# Allegro board S071AA-0413-20260427.brd
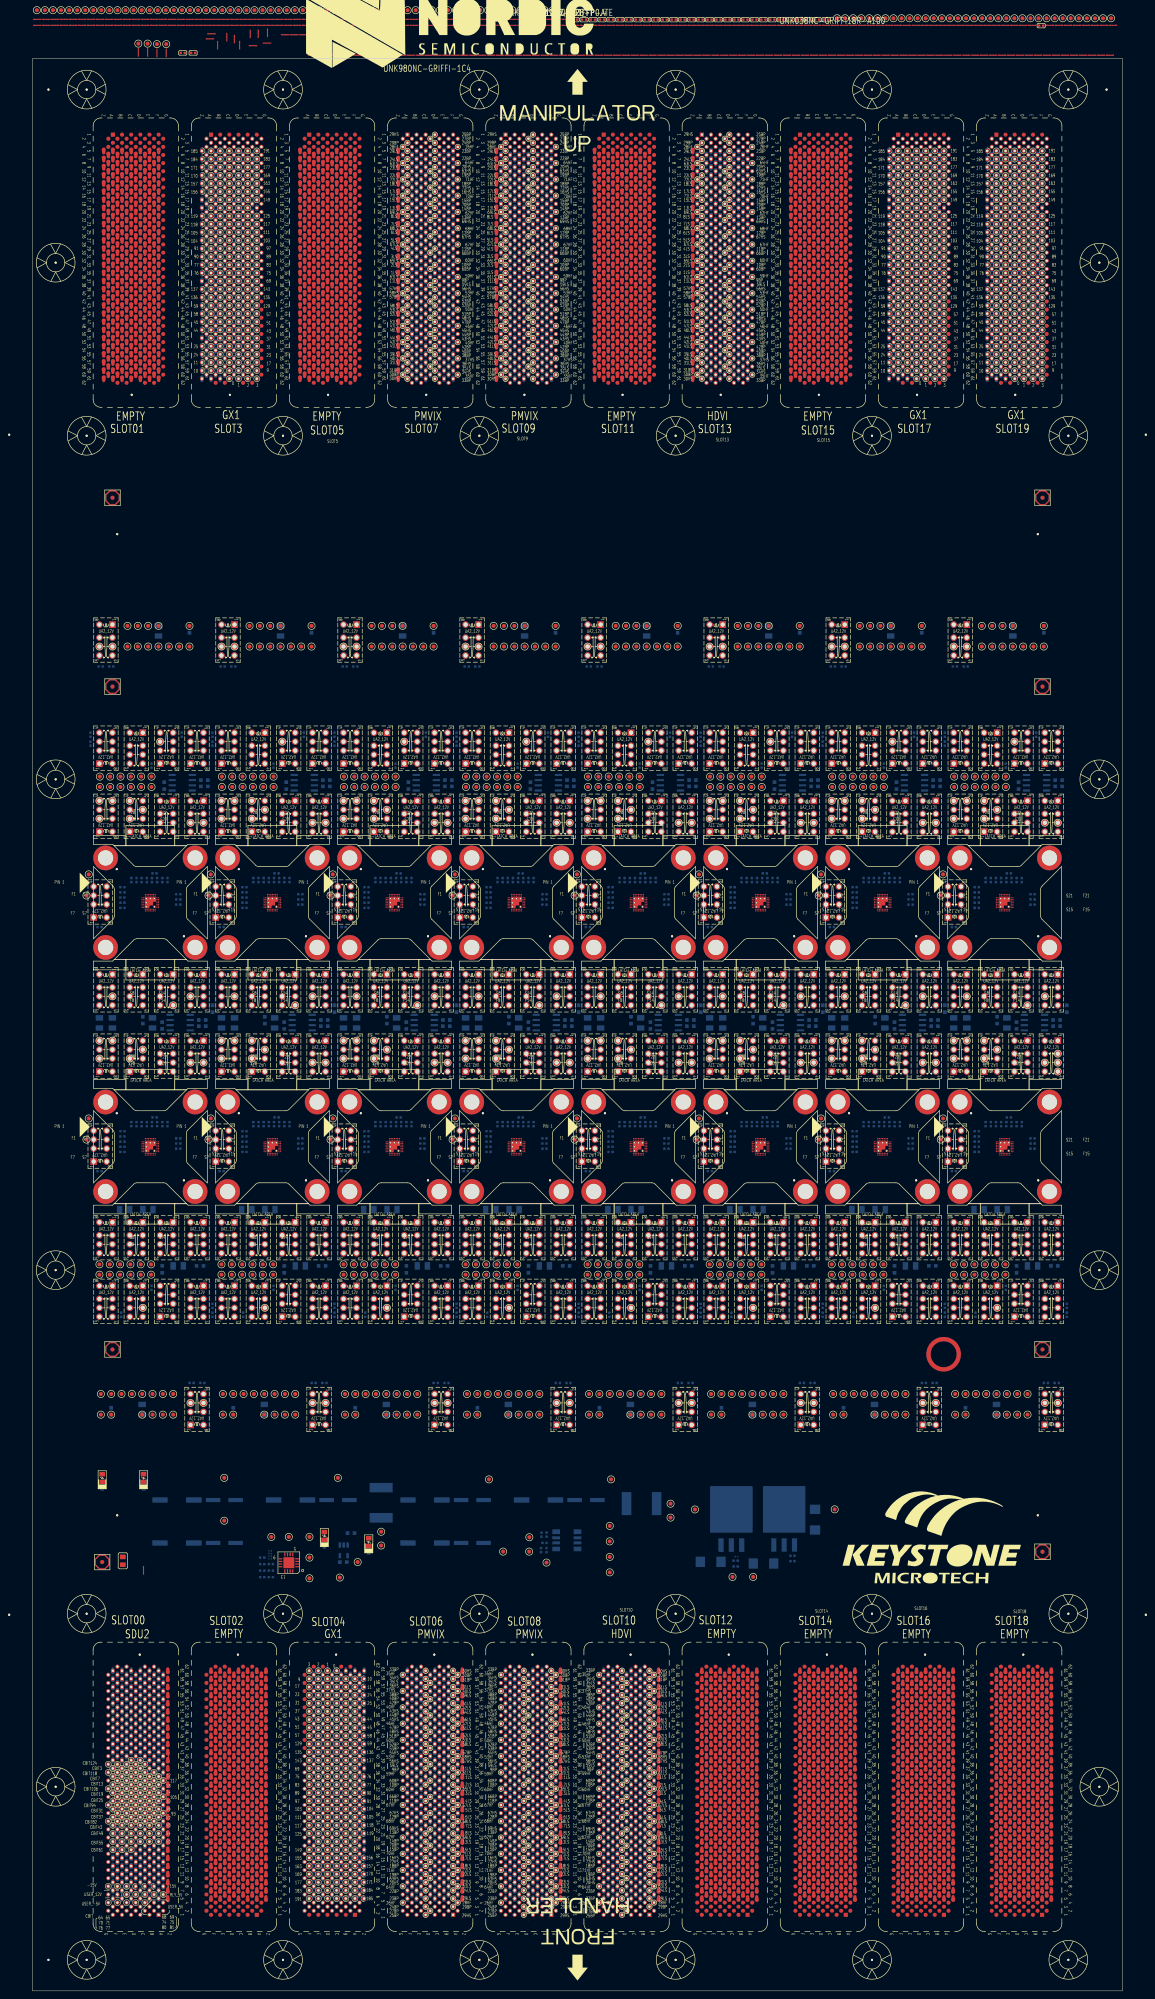
[diagram p0: board, top side]
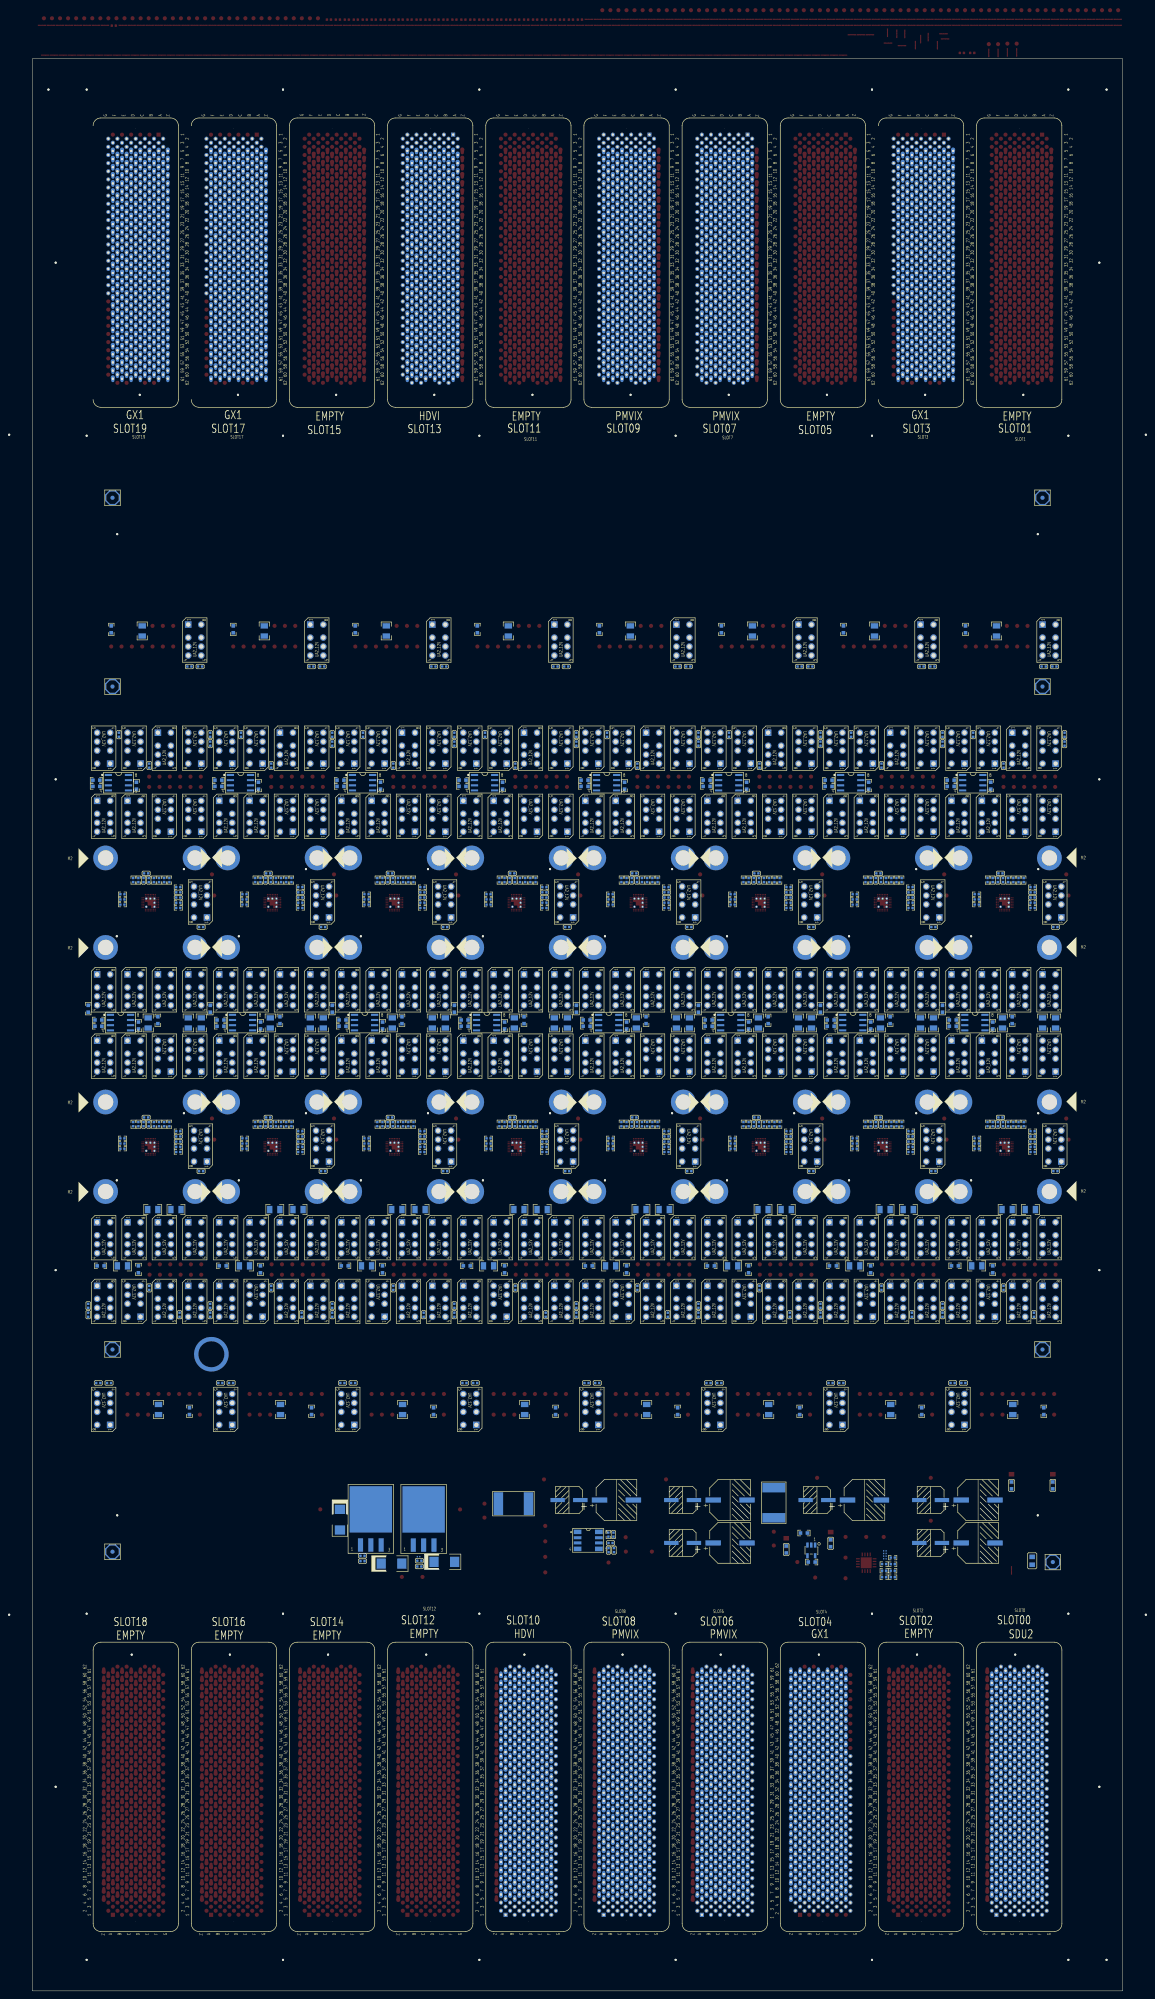
[diagram p1: board, bottom side, seen from below]

Outline 267.97 x 474.98 mm; copper layers: TOP, L02_GND, L03_SIGNAL, L04_GND, L05_SIGNAL, L06_GND, L07_SIGNAL, L08_GND, L09_PWR, L10_PWR, L11_GND, L12_PWR, L13_PWR, L14_GND, L15_USER, L16_CBIT, L17_GND, L18_PWR, L19_PWR, L20_GND, L21_PWR, L22_PWR, L23_GND, L24_SIGNAL, L25_GND, L26_SIGNAL, L27_GND, L28_SIGNAL, L29_GND, L30_SIGNAL, L31_GND, BOTTOM. Coordinates in mm from the lower left corner of the outline.

## Placement (name value [footprint] x y rotation side)
BC1  100U-50-E-S-6.6X6.6  [EC_6P3X7P7MM_S]  75.12 120.65 270 bottom
BC2  47U-100-E-S10X10-NI  [ECS_10X10MM_H10P5]  63.45 120.65 90 bottom
BC3  100U-50-E-S-6.6X6.6  [EC_6P3X7P7MM_S]  108.14 110.11 270 bottom
BC4  47U-100-E-S10X10-NI  [ECS_10X10MM_H10P5]  96.47 110.11 90 bottom
BC5  100U-50-E-S-6.6X6.6  [EC_6P3X7P7MM_S]  47.18 120.65 270 bottom
BC6  47U-100-E-S10X10-NI  [ECS_10X10MM_H10P5]  35.51 120.65 90 bottom
BC7  100U-50-E-S-6.6X6.6  [EC_6P3X7P7MM_S]  108.14 120.65 270 bottom
BC8  47U-100-E-S10X10-NI  [ECS_10X10MM_H10P5]  96.47 120.65 90 bottom
BC10  47U-100-E-S10X10-NI  [ECS_10X10MM_H10P5]  124.41 120.65 90 bottom
BC11  100U-50-E-S-6.6X6.6  [EC_6P3X7P7MM_S]  136.08 120.65 270 bottom
BC12  47U-100-E-S10X10-NI  [ECS_10X10MM_H10P5]  35.51 110.11 90 bottom
BC13  100U-50-E-S-6.6X6.6  [EC_6P3X7P7MM_S]  47.18 110.11 270 bottom
BD1  BD120-3.5A-S8-LA  [FB0805]  22.23 105.71 90 top
BD2  BD120-3.5A-S8-LA  [FB0805]  22.23 105.71 90 bottom
BR1  560-1-S6  [R0603]  71.76 110.03 270 bottom
BR2  560-1-S6  [R0603]  82.68 108.5 270 bottom
BR3  560-1-S6  [R0603]  27.31 124.25 270 bottom
BR4  1K-1-S6  [R0603]  17.15 124.25 270 bottom
C14  1U-16-X5R-S4-YA  [C0402]  126.4 112.15 90 bottom
C84  1U-16-X6S-S4-TY  [C0402]  56.49 106.51 180 bottom
C85  1U-16-X6S-S4-TY  [C0402]  56.49 103.28 180 bottom
C86  1U-16-X6S-S4-TY  [C0402]  56.49 104.88 180 bottom
C87  0.1U-10-X7R-S4-MU-1  [C0402]  58.62 104.91 0 bottom
C88  0.1U-10-X7R-S4-MU-1  [C0402]  58.62 103.28 0 bottom
C89  0.1U-10-X7R-S4-MU-1  [C0402]  56.49 101.68 180 bottom
C90  100P-50-X8R-S4-KEMET  [C0402]  58.62 101.68 0 bottom
C99  10U-35-T-SC  [CODE_C]  166.73 105.45 180 bottom
C100  10U-35-T-SC  [CODE_C]  179.71 105.04 180 bottom
C101  10U-35-T-SC  [CODE_C]  192.38 115.82 270 bottom
C102  1U-25-X7R-S6-WA  [C0603]  78.31 112.54 0 bottom
C103  1U-25-X7R-S6-WA  [C0603]  76.41 105.41 0 bottom
FD1  FD_040  [FD_040_V2]  17.15 105.41 0 top
FD2  FD_040  [FD_040_V2]  19.69 157.66 0 top
FD3  FD_040  [FD_040_V2]  19.69 320.62 0 top
FD4  FD_040  [FD_040_V2]  19.69 367.03 0 top
FD5  FD_040  [FD_040_V2]  248.29 367.03 0 top
FD6  FD_040  [FD_040_V2]  248.29 320.62 0 top
FD7  FD_040  [FD_040_V2]  248.29 157.66 0 top
FD8  FD_040  [FD_040_V2]  248.29 107.95 0 top
FD9  FD_040  [FD_040_V2]  17.15 105.41 180 bottom
FD10  FD_040  [FD_040_V2]  19.69 157.66 180 bottom
FD11  FD_040  [FD_040_V2]  19.69 320.62 180 bottom
FD12  FD_040  [FD_040_V2]  19.69 367.03 180 bottom
FD13  FD_040  [FD_040_V2]  248.29 367.03 180 bottom
FD14  FD_040  [FD_040_V2]  248.29 320.62 180 bottom
FD15  FD_040  [FD_040_V2]  248.29 157.66 180 bottom
FD16  FD_040  [FD_040_V2]  248.29 107.95 180 bottom
FUSE1  2920L200-2A-S7.98X5.44  [FUSE_2920_H45]  149.73 119.76 0 bottom
FUSE2  2920L200-2A-S7.98X5.44  [FUSE_2920_H45]  85.73 119.99 270 bottom
H1  M3-HOLE  [M3_NPTH169]  20.84 116.9 0 top
H2  M3-HOLE  [M3_NPTH169]  20.84 358.08 0 top
H3  M3-HOLE  [M3_NPTH169]  247.13 358.08 0 top
H4  M3-HOLE  [M3_NPTH169]  247.13 116.9 0 top
LOGO1  -  [LOGO_NC_NORDIC]  98.78 473.44 0 top
LOGO2  -  [LOGO_KT_KSMT]  217.98 104.48 0 top
M1  -  [PG_LTXDX_F_X1_OUTLINE_FULL_V2]  133.99 237.49 0 top
NOREF  -  []  74.99 190.99 90 top
NOREF#2  -  []  248.86 304.88 90 top
NOREF#3  -  []  43.81 238.87 0 top
NOREF#4  -  []  124.59 289.34 90 top
NOREF#5  -  []  224.98 253.49 90 top
NOREF#6  -  []  106.47 229.18 90 top
NOREF#7  -  []  75.06 267.06 90 top
NOREF#8  -  []  116.3 396.29 0 top
NOREF#9  -  []  72.06 165.7 90 top
NOREF#10  -  []  158.86 292.54 0 top
NOREF#11  -  []  177.36 268.69 0 top
NOREF#12  -  []  106.47 290.34 90 top
NOREF#13  -  []  198.36 224.33 90 top
NOREF#14  -  []  224.98 193.49 90 top
NOREF#15  -  []  229.94 164.9 0 top
NOREF#16  -  []  220.89 240.62 90 top
NOREF#17  -  []  128.39 253.49 45 top
NOREF#18  -  []  92.16 20.69 90 top
NOREF#19  -  []  210.84 164.9 90 top
NOREF#20  -  []  198.36 179.68 90 top
NOREF#21  -  []  104.84 106.81 0 top
NOREF#22  -  []  120.34 266.14 90 top
NOREF#23  -  []  87.13 306.08 90 top
NOREF#24  -  []  44.4 110.11 0 top
NOREF#25  -  []  243.56 82.65 0 top
NOREF#26  -  []  55.7 198.99 90 top
NOREF#27  -  []  162.06 242.27 90 top
NOREF#28  -  []  102.06 165.7 90 top
NOREF#29  -  []  94.59 246.67 90 top
NOREF#30  -  []  178.65 266.87 45 top
NOREF#31  -  []  172.98 248.49 0 top
NOREF#32  -  []  164.98 281.49 90 top
NOREF#33  -  []  179.29 207.51 45 top
NOREF#34  -  []  61.4 188.93 0 top
NOREF#35  -  []  222.06 181.33 90 top
NOREF#36  -  []  164.98 221.49 90 top
NOREF#37  -  []  30.19 265.86 90 top
NOREF#38  -  []  83.93 225.98 90 top
NOREF#39  -  []  85.7 198.99 90 top
NOREF#40  -  []  91.4 307.08 90 top
NOREF#41  -  []  106.36 14.59 90 top
NOREF#42  -  []  243.41 174.1 0 top
NOREF#43  -  []  211.39 171.1 90 top
NOREF#44  -  []  102.48 284.14 0 top
NOREF#45  -  []  41.4 295.64 90 top
NOREF#46  -  []  74.99 250.99 90 top
NOREF#47  -  []  179.32 208.11 315 top
NOREF#48  -  []  203.93 173.3 0 top
NOREF#49  -  []  113.93 231.38 90 top
NOREF#50  -  []  235.81 19.69 90 top
NOREF#51  -  []  16.47 284.94 90 top
NOREF#52  -  []  73.01 240.57 90 top
NOREF#53  -  []  180.84 164.9 90 top
NOREF#54  -  []  38.86 292.54 0 top
NOREF#55  -  []  61.2 115.65 0 top
NOREF#56  -  []  124.59 228.18 90 top
NOREF#57  -  []  106.47 307.08 90 top
NOREF#58  -  []  165.06 209.26 90 top
NOREF#59  -  []  213.43 300.03 90 top
NOREF#60  -  []  213.61 203.06 0 top
NOREF#61  -  []  58.12 106.87 0 top
NOREF#62  -  []  229.67 183.53 90 top
NOREF#63  -  []  107.99 278.49 0 top
NOREF#64  -  []  158.86 301.68 90 top
NOREF#65  -  []  205.94 234.38 0 top
NOREF#66  -  []  147.13 165.7 90 top
NOREF#67  -  []  209.38 209.51 0 top
NOREF#68  -  []  178.35 267.84 45 top
NOREF#69  -  []  119.32 208.11 315 top
NOREF#70  -  []  139.67 328.26 90 top
NOREF#71  -  []  78.48 250.67 0 top
NOREF#72  -  []  76.47 225.98 0 top
NOREF#73  -  []  65.02 284.14 0 top
NOREF#74  -  []  106.47 225.98 90 top
NOREF#75  -  []  175.97 164.05 90 top
NOREF#76  -  []  173.93 173.3 0 top
NOREF#77  -  []  240.84 300.88 90 top
NOREF#78  -  []  221.02 336.66 0 top
NOREF#79  -  []  187.23 259.24 90 top
NOREF#80  -  []  181.39 188.93 0 top
NOREF#81  -  []  23.93 229.18 90 top
NOREF#82  -  []  139.67 246.67 90 top
NOREF#83  -  []  207.13 301.68 90 top
NOREF#84  -  []  199.94 300.88 0 top
NOREF#85  -  []  181.39 307.08 90 top
NOREF#86  -  []  218.43 17.15 0 top
NOREF#87  -  []  158.86 249.87 0 top
NOREF#88  -  []  108.36 164.05 90 top
NOREF#89  -  []  250.89 239.1 90 top
NOREF#90  -  []  71.02 336.66 0 top
NOREF#91  -  []  19.67 246.67 90 top
NOREF#92  -  []  184.59 246.67 90 top
NOREF#93  -  []  70.89 240.62 90 top
NOREF#94  -  []  180.84 300.88 90 top
NOREF#95  -  []  236.96 208.69 0 top
NOREF#96  -  []  80.74 275.74 0 top
NOREF#97  -  []  34.6 230.38 90 top
NOREF#98  -  []  87.13 165.7 90 top
NOREF#99  -  []  17.99 218.49 0 top
NOREF#100  -  []  121.01 206.69 90 top
NOREF#101  -  []  58.1 14.59 90 top
NOREF#102  -  []  82.99 248.49 90 top
NOREF#103  -  []  134.98 253.49 90 top
NOREF#104  -  []  147.13 303.88 90 top
NOREF#105  -  []  15.06 209.26 90 top
NOREF#106  -  []  98.86 139.12 90 top
NOREF#107  -  []  87.41 138.32 0 top
NOREF#108  -  []  184.59 185.73 90 top
NOREF#109  -  []  173.93 309.28 0 top
NOREF#110  -  []  165.06 263.86 90 top
NOREF#111  -  []  228.48 174.1 0 top
NOREF#112  -  []  119.29 207.51 45 top
NOREF#113  -  []  38.86 173.3 0 top
NOREF#114  -  []  218.86 304.88 90 top
NOREF#115  -  []  79.67 332.66 90 top
NOREF#116  -  []  60.67 176.51 90 top
NOREF#117  -  []  94.59 185.73 90 top
NOREF#118  -  []  237.13 181.33 90 top
NOREF#119  -  []  223.01 240.57 90 top
NOREF#120  -  []  164.98 223.99 0 top
NOREF#121  -  []  38.86 142.32 90 top
NOREF#122  -  []  208.35 267.84 315 top
NOREF#123  -  []  172.98 226.49 0 top
NOREF#124  -  []  18.48 189.73 0 top
NOREF#125  -  []  22.99 248.49 0 top
NOREF#126  -  []  55.95 189.73 0 top
NOREF#127  -  []  64.59 230.38 90 top
NOREF#128  -  []  239.32 268.11 315 top
NOREF#129  -  []  199.67 167.9 90 top
NOREF#130  -  []  26.56 179.68 90 top
NOREF#131  -  []  227.98 256.49 90 top
NOREF#132  -  []  88.35 207.84 315 top
NOREF#133  -  []  178.44 14.59 90 top
NOREF#134  -  []  166.47 304.88 90 top
NOREF#135  -  []  43.46 240.62 90 top
NOREF#136  -  []  97.36 333.84 90 top
NOREF#137  -  []  102.06 167.9 90 top
NOREF#138  -  []  166.47 249.87 0 top
NOREF#139  -  []  52.99 248.49 90 top
NOREF#140  -  []  184.59 183.53 90 top
NOREF#141  -  []  16.47 284.94 0 top
NOREF#142  -  []  65.02 300.88 0 top
NOREF#143  -  []  158.86 304.88 90 top
NOREF#144  -  []  150.67 176.51 90 top
NOREF#145  -  []  195.06 209.26 90 top
NOREF#146  -  []  46.47 307.08 90 top
NOREF#147  -  []  124.59 230.38 90 top
NOREF#148  -  []  79.67 328.26 90 top
NOREF#149  -  []  70.76 109.19 90 top
NOREF#150  -  []  46.47 301.68 90 top
NOREF#151  -  []  57.13 170.1 90 top
NOREF#152  -  []  42.06 225.98 90 top
NOREF#153  -  []  44.51 203.06 90 top
NOREF#154  -  []  165.06 203.86 0 top
NOREF#155  -  []  214.59 244.47 90 top
NOREF#156  -  []  49.67 242.27 90 top
NOREF#157  -  []  42.48 225.18 0 top
NOREF#158  -  []  225.06 207.06 90 top
NOREF#159  -  []  168.48 189.73 0 top
NOREF#160  -  []  72.06 242.27 90 top
NOREF#161  -  []  72.06 167.9 90 top
NOREF#162  -  []  116.29 18.69 0 top
NOREF#163  -  []  123.61 263.06 0 top
NOREF#164  -  []  31.4 304.88 90 top
NOREF#165  -  []  53.93 225.98 0 top
NOREF#166  -  []  143.93 288.14 90 top
NOREF#167  -  []  142.98 248.49 0 top
NOREF#168  -  []  123.41 189.73 0 top
NOREF#169  -  []  176.96 208.69 0 top
NOREF#170  -  []  175.94 189.73 0 top
NOREF#171  -  []  181.01 266.29 90 top
NOREF#172  -  []  117.13 183.53 90 top
NOREF#173  -  []  113.93 188.93 0 top
NOREF#174  -  []  188.86 301.68 0 top
NOREF#175  -  []  96.8 392.33 90 top
NOREF#176  -  []  58.35 267.84 315 top
NOREF#177  -  []  76.47 284.94 90 top
NOREF#178  -  []  68.31 138.32 90 top
NOREF#179  -  []  24.41 392.33 90 top
NOREF#180  -  []  109.67 165.7 90 top
NOREF#181  -  []  53.93 288.14 90 top
NOREF#182  -  []  165.92 300.88 90 top
NOREF#183  -  []  207.97 458.49 0 top
NOREF#184  -  []  155.02 225.18 0 top
NOREF#185  -  []  252.06 165.7 90 top
NOREF#186  -  []  15.07 300.03 0 top
NOREF#187  -  []  177.63 208.84 0 top
NOREF#188  -  []  154.59 242.27 90 top
NOREF#189  -  []  94.59 225.98 90 top
NOREF#190  -  []  195.06 203.86 90 top
NOREF#191  -  []  178.35 207.84 315 top
NOREF#192  -  []  146.96 268.69 0 top
NOREF#193  -  []  177.13 301.68 90 top
NOREF#194  -  []  188.66 177.76 90 top
NOREF#195  -  []  196.47 307.08 90 top
NOREF#196  -  []  121.91 17.2 90 top
NOREF#197  -  []  175.94 250.67 0 top
NOREF#198  -  []  21.68 225.18 90 top
NOREF#199  -  []  33.61 263.06 0 top
NOREF#200  -  []  128.86 173.3 0 top
NOREF#201  -  []  28.37 207.15 315 top
NOREF#202  -  []  91.4 168.9 90 top
NOREF#203  -  []  61.4 233.58 0 top
NOREF#204  -  []  91.01 266.29 90 top
NOREF#205  -  []  170.48 210.77 0 top
NOREF#206  -  []  71.03 112.93 0 top
NOREF#207  -  []  164.55 18.69 0 top
NOREF#208  -  []  31.4 301.68 90 top
NOREF#209  -  []  40.9 237.58 90 top
NOREF#210  -  []  41.02 250.67 0 top
NOREF#211  -  []  134.51 263.06 90 top
NOREF#212  -  []  25.95 189.73 0 top
NOREF#213  -  []  31.01 266.29 90 top
NOREF#214  -  []  124.59 225.98 90 top
NOREF#215  -  []  162.66 107.36 0 top
NOREF#216  -  []  52.99 188.49 0 top
NOREF#217  -  []  158.86 233.58 0 top
NOREF#218  -  []  120.84 300.88 90 top
NOREF#219  -  []  46.47 284.94 90 top
NOREF#220  -  []  19.78 396.29 0 top
NOREF#221  -  []  27.13 185.73 90 top
NOREF#222  -  []  144.63 116.76 0 top
NOREF#223  -  []  60.65 236.45 90 top
NOREF#224  -  []  175.88 237.76 90 top
NOREF#225  -  []  93.43 240.62 90 top
NOREF#226  -  []  83.93 284.94 90 top
NOREF#227  -  []  208.37 267.15 315 top
NOREF#228  -  []  87.36 268.69 0 top
NOREF#229  -  []  163.73 107.06 0 top
NOREF#230  -  []  53.93 290.34 90 top
NOREF#231  -  []  173.93 225.98 0 top
NOREF#232  -  []  188.69 396.29 0 top
NOREF#233  -  []  128.86 142.32 90 top
NOREF#234  -  []  252.06 230.38 90 top
NOREF#235  -  []  15.06 203.86 90 top
NOREF#236  -  []  181.01 206.29 90 top
NOREF#237  -  []  128.73 110.11 90 top
NOREF#238  -  []  102.06 170.1 90 top
NOREF#239  -  []  241.39 301.68 90 top
NOREF#240  -  []  173.93 284.94 0 top
NOREF#241  -  []  106.47 304.88 90 top
NOREF#242  -  []  183.41 293.34 0 top
NOREF#243  -  []  220.89 283.29 90 top
NOREF#244  -  []  27.13 170.1 90 top
NOREF#245  -  []  75.92 225.18 90 top
NOREF#246  -  []  37.46 294.19 0 top
NOREF#247  -  []  43.9 20.69 90 top
NOREF#248  -  []  207.36 208.69 0 top
NOREF#249  -  []  121.39 171.1 90 top
NOREF#250  -  []  230.73 215.74 0 top
NOREF#251  -  []  252.06 185.73 90 top
NOREF#252  -  []  183.41 250.67 0 top
NOREF#253  -  []  241.39 301.68 0 top
NOREF#254  -  []  136.47 225.98 90 top
NOREF#255  -  []  158.86 307.08 90 top
NOREF#256  -  []  115.7 258.99 90 top
NOREF#257  -  []  61.16 295.41 90 top
NOREF#258  -  []  73.65 17.15 0 top
NOREF#259  -  []  99.47 105.11 0 top
NOREF#260  -  []  102.06 183.53 90 top
NOREF#261  -  []  139.67 244.47 90 top
NOREF#262  -  []  44.51 263.06 90 top
NOREF#263  -  []  199.67 242.27 90 top
NOREF#264  -  []  104.99 281.49 90 top
NOREF#265  -  []  162.66 103.55 90 top
NOREF#266  -  []  203.93 290.34 90 top
NOREF#267  -  []  165.06 269.26 90 top
NOREF#268  -  []  25.97 179.68 90 top
NOREF#269  -  []  128.86 292.54 0 top
NOREF#270  -  []  166.47 301.68 90 top
NOREF#271  -  []  164.56 456.29 0 top
NOREF#272  -  []  198.36 240.62 90 top
NOREF#273  -  []  173.93 284.94 90 top
NOREF#274  -  []  53.38 225.18 90 top
NOREF#275  -  []  154.59 284.94 90 top
NOREF#276  -  []  55.95 250.67 0 top
NOREF#277  -  []  76.47 249.87 0 top
NOREF#278  -  []  178.37 207.15 315 top
NOREF#279  -  []  21.07 326.61 90 top
NOREF#280  -  []  122.16 115.65 0 top
NOREF#281  -  []  57.41 138.32 0 top
NOREF#282  -  []  68.86 304.88 90 top
NOREF#283  -  []  31.01 206.69 90 top
NOREF#284  -  []  34.6 246.67 90 top
NOREF#285  -  []  143.93 290.34 90 top
NOREF#286  -  []  145.94 234.38 0 top
NOREF#287  -  []  109.67 167.9 90 top
NOREF#288  -  []  113.93 288.14 90 top
NOREF#289  -  []  115.97 179.68 90 top
NOREF#290  -  []  30 294.19 0 top
NOREF#291  -  []  31.4 171.1 90 top
NOREF#292  -  []  188.39 253.49 45 top
NOREF#293  -  []  55.95 293.34 0 top
NOREF#294  -  []  142.98 226.49 0 top
NOREF#295  -  []  131.4 296.54 90 top
NOREF#296  -  []  161.4 296.54 90 top
NOREF#297  -  []  230.48 270.77 0 top
NOREF#298  -  []  61.4 249.87 0 top
NOREF#299  -  []  117.13 170.1 90 top
NOREF#300  -  []  194.98 281.49 90 top
NOREF#301  -  []  230.73 275.74 0 top
NOREF#302  -  []  108.48 310.08 0 top
NOREF#303  -  []  31.02 18.69 90 top
NOREF#304  -  []  115.97 240.62 90 top
NOREF#305  -  []  57.13 303.88 90 top
NOREF#306  -  []  14.51 203.06 90 top
NOREF#307  -  []  75.92 284.14 90 top
NOREF#308  -  []  202.88 14.59 90 top
NOREF#309  -  []  85.94 250.67 0 top
NOREF#310  -  []  77.99 218.49 0 top
NOREF#311  -  []  183.41 189.73 0 top
NOREF#312  -  []  102.06 284.94 90 top
NOREF#313  -  []  88.37 267.15 315 top
NOREF#314  -  []  198.48 250.67 0 top
NOREF#315  -  []  106.47 301.68 90 top
NOREF#316  -  []  244.59 246.67 90 top
NOREF#317  -  []  106.47 249.87 0 top
NOREF#318  -  []  211.16 295.41 90 top
NOREF#319  -  []  93.61 263.06 0 top
NOREF#320  -  []  250.83 14.59 90 top
NOREF#321  -  []  44.99 283.99 0 top
NOREF#322  -  []  64.59 185.73 90 top
NOREF#323  -  []  101.02 250.67 0 top
NOREF#324  -  []  105.06 207.06 90 top
NOREF#325  -  []  119.41 115.65 90 top
NOREF#326  -  []  123.41 174.1 0 top
NOREF#327  -  []  85.94 234.38 0 top
NOREF#328  -  []  45.06 263.86 0 top
NOREF#329  -  []  120.18 205.47 90 top
NOREF#330  -  []  87.32 457.2 0 top
NOREF#331  -  []  220.89 237.58 90 top
NOREF#332  -  []  232.98 226.49 0 top
NOREF#333  -  []  29.29 267.51 45 top
NOREF#334  -  []  218.86 233.58 0 top
NOREF#335  -  []  229.67 170.1 90 top
NOREF#336  -  []  175.97 240.62 90 top
NOREF#337  -  []  128.31 138.32 90 top
NOREF#338  -  []  39.04 16.49 0 top
NOREF#339  -  []  27.13 242.27 90 top
NOREF#340  -  []  68.31 300.88 90 top
NOREF#341  -  []  67.55 263.78 0 top
NOREF#342  -  []  19.67 170.1 90 top
NOREF#343  -  []  20.61 142.44 90 top
NOREF#344  -  []  195.06 203.86 0 top
NOREF#345  -  []  145.88 237.76 90 top
NOREF#346  -  []  53.38 284.14 90 top
NOREF#347  -  []  128.39 193.49 45 top
NOREF#348  -  []  199.67 244.47 90 top
NOREF#349  -  []  151.39 165.7 0 top
NOREF#350  -  []  68.86 173.3 0 top
NOREF#351  -  []  37.46 251.52 0 top
NOREF#352  -  []  158.66 177.76 90 top
NOREF#353  -  []  183.82 83.81 0 top
NOREF#354  -  []  104.99 190.99 90 top
NOREF#355  -  []  42.06 289.34 90 top
NOREF#356  -  []  42.06 185.73 90 top
NOREF#357  -  []  44.99 281.49 90 top
NOREF#358  -  []  240.18 205.47 90 top
NOREF#359  -  []  61.4 171.1 90 top
NOREF#360  -  []  31.4 165.7 0 top
NOREF#361  -  []  49.67 246.67 90 top
NOREF#362  -  []  166.47 335.86 0 top
NOREF#363  -  []  147.63 268.84 0 top
NOREF#364  -  []  230.48 210.77 0 top
NOREF#365  -  []  61.4 304.88 90 top
NOREF#366  -  []  131.4 298.06 90 top
NOREF#367  -  []  145.94 189.73 0 top
NOREF#368  -  []  128.86 249.87 0 top
NOREF#369  -  []  80.48 270.77 0 top
NOREF#370  -  []  145.7 258.99 90 top
NOREF#371  -  []  94.59 287.14 90 top
NOREF#372  -  []  181.39 165.7 0 top
NOREF#373  -  []  77.99 256.49 90 top
NOREF#374  -  []  38.86 144.52 90 top
NOREF#375  -  []  87.13 170.1 90 top
NOREF#376  -  []  77.21 143.34 90 top
NOREF#377  -  []  185.02 225.18 0 top
NOREF#378  -  []  135.92 284.14 90 top
NOREF#379  -  []  19.67 183.53 90 top
NOREF#380  -  []  235.97 240.62 90 top
NOREF#381  -  []  37.55 203.78 0 top
NOREF#382  -  []  76.47 173.3 0 top
NOREF#383  -  []  87.13 301.68 90 top
NOREF#384  -  []  221.02 250.67 0 top
NOREF#385  -  []  168.36 283.29 90 top
NOREF#386  -  []  19.78 456.29 0 top
NOREF#387  -  []  76.47 301.68 0 top
NOREF#388  -  []  188.86 139.12 90 top
NOREF#389  -  []  136.47 284.94 0 top
NOREF#390  -  []  188.86 301.68 90 top
NOREF#391  -  []  143.93 284.94 0 top
NOREF#392  -  []  252.06 287.14 90 top
NOREF#393  -  []  177.63 268.84 0 top
NOREF#394  -  []  48.54 392.33 90 top
NOREF#395  -  []  27.13 165.7 90 top
NOREF#396  -  []  208.37 207.15 315 top
NOREF#397  -  []  209.29 207.51 45 top
NOREF#398  -  []  188.86 233.58 0 top
NOREF#399  -  []  238.35 207.84 45 top
NOREF#400  -  []  15.06 263.86 90 top
NOREF#401  -  []  252.06 225.98 90 top
NOREF#402  -  []  20.74 275.74 0 top
NOREF#403  -  []  147.13 170.1 90 top
NOREF#404  -  []  44.4 120.65 0 top
NOREF#405  -  []  90.18 265.86 90 top
NOREF#406  -  []  103.01 240.57 90 top
NOREF#407  -  []  139.67 332.66 90 top
NOREF#408  -  []  67.36 333.84 90 top
NOREF#409  -  []  98.86 301.68 90 top
NOREF#410  -  []  241.16 295.41 90 top
NOREF#411  -  []  61.01 206.69 90 top
NOREF#412  -  []  42.06 230.38 90 top
NOREF#413  -  []  14.99 281.49 90 top
NOREF#414  -  []  138.48 250.67 0 top
NOREF#415  -  []  241.39 171.1 90 top
NOREF#416  -  []  190.89 179.68 90 top
NOREF#417  -  []  106.47 288.14 90 top
NOREF#418  -  []  101.02 336.66 0 top
NOREF#419  -  []  27.13 181.33 90 top
NOREF#420  -  []  146.04 17.15 0 top
NOREF#421  -  []  214.59 287.14 90 top
NOREF#422  -  []  236.94 18.69 0 top
NOREF#423  -  []  214.59 185.73 90 top
NOREF#424  -  []  30.34 266.14 90 top
NOREF#425  -  []  42.06 167.9 90 top
NOREF#426  -  []  61.4 292.54 0 top
NOREF#427  -  []  192.38 113.28 90 top
NOREF#428  -  []  81.68 112.1 0 top
NOREF#429  -  []  29.29 207.51 45 top
NOREF#430  -  []  16.47 301.68 0 top
NOREF#431  -  []  229.67 242.27 90 top
NOREF#432  -  []  233.93 309.28 0 top
NOREF#433  -  []  183.61 263.06 0 top